# Altium PCB 程控放大衰减电路.PcbDoc
Units mm, origin at the board's own origin, x right, y up, seen from the top; angles counter-clockwise.
Board outline 50 x 40 mm, 2 copper layers (Top Layer, Bottom Layer); 21 components, 19 nets, 78 pads, 6 vias.
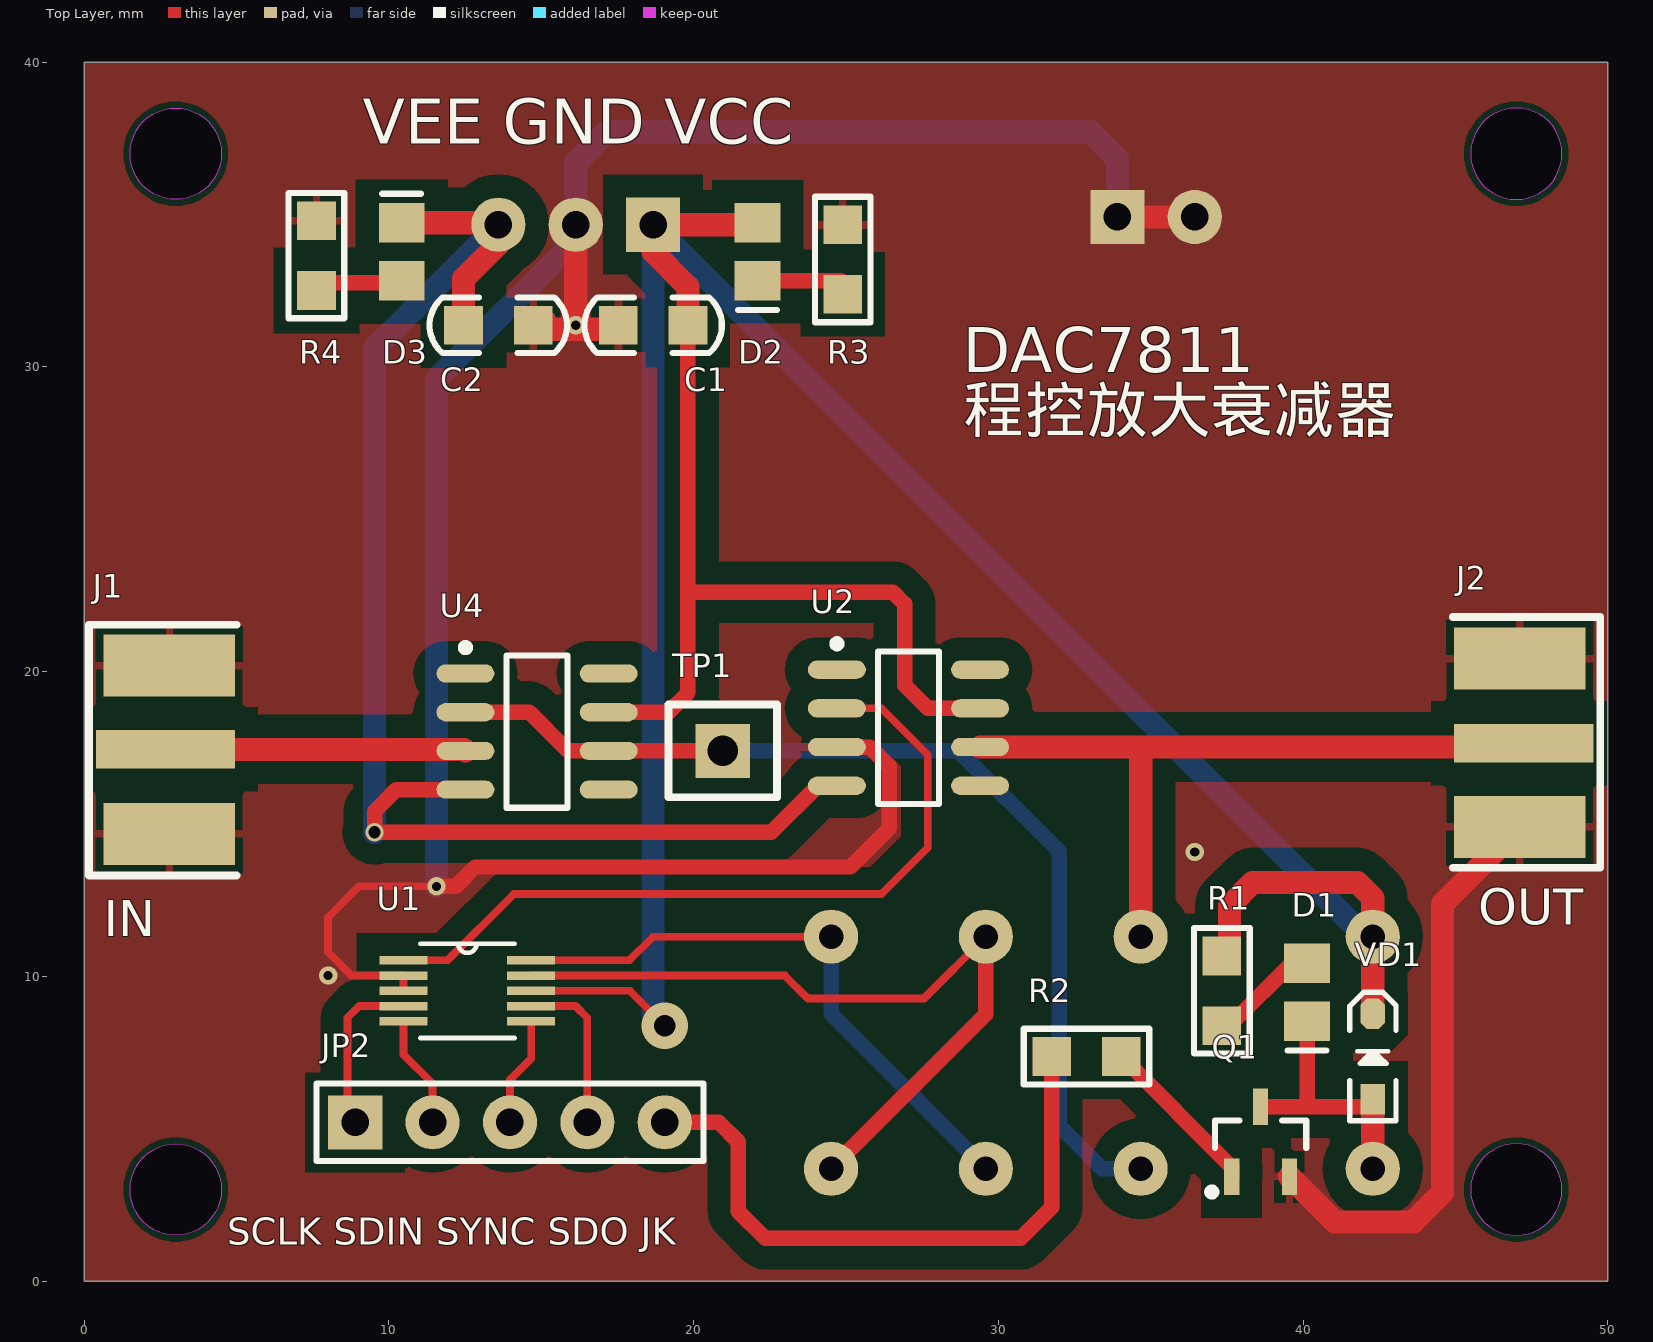
[diagram p0: Top Layer view]
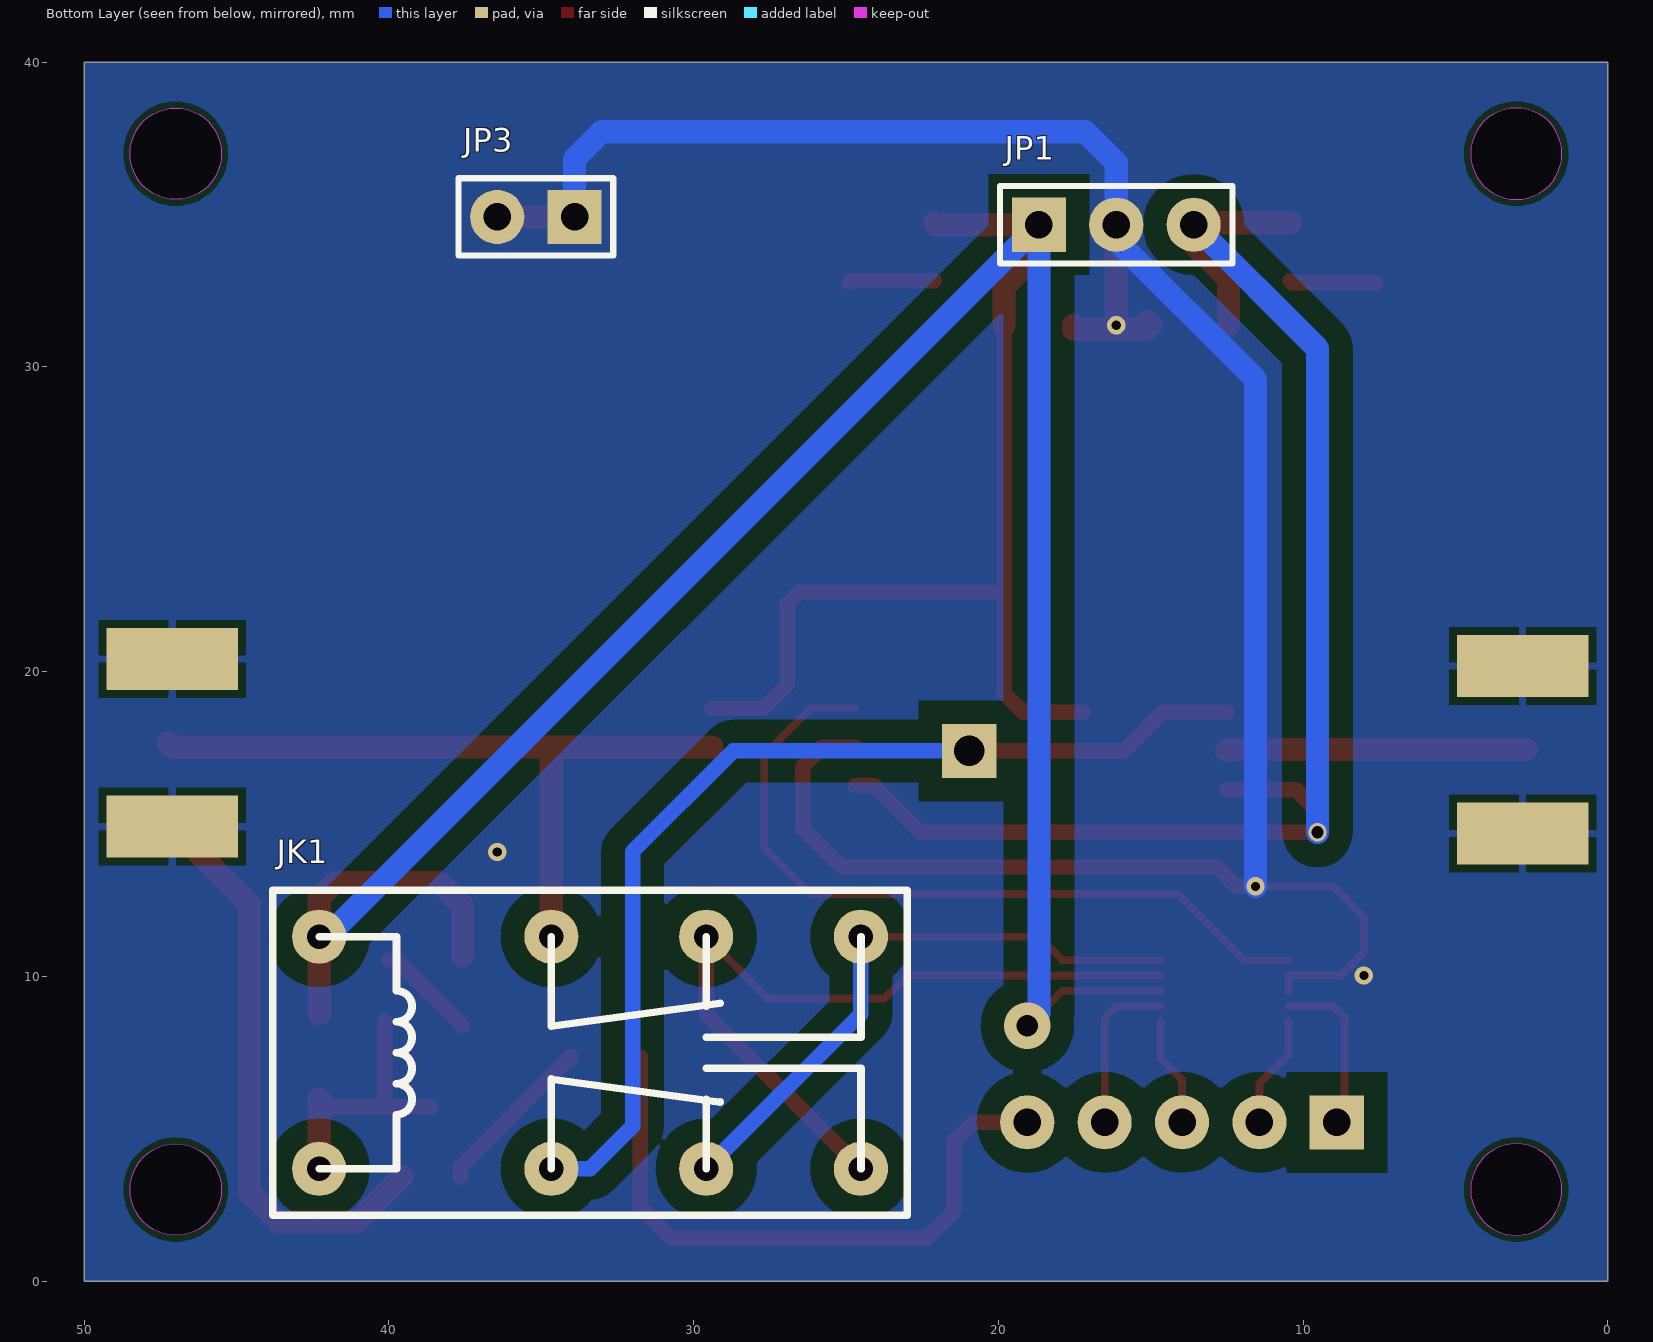
[diagram p1: Bottom Layer view, seen from below]

## Layer stack, top to bottom
Top Solder: solder mask 0.0102, Solder Resist, Dk 3.5
Top Layer: signal copper 0.0356
Dielectric 1: dielectric 0.32, FR-4, Dk 4.8
Bottom Layer: signal copper 0.0356
Bottom Solder: solder mask 0.0102, Solder Resist, Dk 3.5

## Board outline
0,0 0,40 50,40 50,0
cut-out: 45.5,37 ccw(c47,37) 47,35.5 ccw(c47,37) 48.5,37 ccw(c47,37) 47,38.5 ccw(c47,37)
cut-out: 3,35.5 cw(c3,37) 1.5,37 cw(c3,37) 3,38.5 cw(c3,37) 4.5,37 cw(c3,37)
cut-out: 45.5,3 ccw(c47,3) 47,1.5 ccw(c47,3) 48.5,3 ccw(c47,3) 47,4.5 ccw(c47,3)
cut-out: 3,1.5 cw(c3,3) 1.5,3 cw(c3,3) 3,4.5 cw(c3,3) 4.5,3 cw(c3,3)

## Design rules (kind name [scope] priority, off if disabled: settings)
Clearance [All] p1: gap=0.203 ignorepadtopadclearanceinfootprint=FALSE except(0.762: Arc-Poly Track-Poly SMDPad-Poly THPad-Poly Via-Poly Fill-Poly Poly-Poly)
PolygonConnect [All] p1: thpad.connectstyle=Direct thpad.reliefconductorwidth=0.254 thpad.reliefentries=4 thpad.polygonreliefangle="90 Angle" thpad.airgapwidth=0.254 smdpad.connectstyle=Relief smdpad.reliefconductorwidth=0.254 smdpad.reliefentries=4 smdpad.polygonreliefangle="90 Angle" smdpad.airgapwidth=0.254 via.connectstyle=Direct via.reliefconductorwidth=0.254 via.reliefentries=4 via.polygonreliefangle="90 Angle" via.airgapwidth=0.254
RoutingVias [All] p1: holewidth=0.711 width=1.27 viastyle="Through Hole" minholewidth=0.3 minwidth=0.6 maxholewidth=0.711 maxwidth=1.27
SolderMaskExpansion [All] p1: expansion=0.102
Width [All] p1: maxlimit=2.54 minlimit=0.254 preferedwidth=0.762
30 further rules are at their usual default settings.

## Components (designator, comment, footprint, x,y, rotation, side; value= is the part's Value field where it differs from the comment)
C1 "104" "C 0805" 18.669,31.369 r0 top
C2 "104" "C 0805" 13.589,31.369 r180 top
D1 "LED" LED_0805 40.132,9.475 r270 top
D2 "LED" LED_0805 22.098,33.782 r270 top
D3 "LED" LED_0805 10.414,33.782 r90 top
J1 "COAX" MCX5.08-5-H 2.667,17.45 r180 top
J2 "COAX" MCX5.08-5-H 47.244,17.653 r0 top
JK1 "HRS2H-S-DCSV-N" HRS2H 33.401,7.493 r0 bottom
JP1 "HDR-1X3" HDR-1X3 18.669,34.671 r180 bottom
JP2 "HDR-1X5" HDR-1X5 8.89,5.207 r0 top
JP3 "Header 2" HDR2X1_A 33.909,34.925 r0 bottom
Q1 "S9013" SOT23-3N 38.608,4.572 r0 top
R1 "1K" "R 0805" 37.338,9.525 r90 top
R2 "100" "R 0805" 32.893,7.366 r0 top
R3 "1K" "R 0805" 24.892,33.528 r270 top
R4 "1K" "R 0805" 7.62,33.655 r90 top
TP1 "TEST TP" "TEST TP1.4_B" 20.955,17.399 r0 top
U1 "DAC7811" "VSSOP 10 (DGK)" 12.573,9.525 r0 top value=Value
U2 "OP07" SO8_L 27.051,18.161 r0 top
U4 "OP07C" SO8_L 14.859,18.034 r0 top
VD1 "1N4148" SOD-323 42.291,7.366 r90 top

## Footprints (in the part's own frame and the unit in brackets; to place one, negate y for a bottom-side part, rotate by r counter-clockwise, add the part's x,y. Pads: shape width x height; smd on the part's side, far side on the other; paste and mask are expansions set on the pad)
"C 0805" [mil] "无极性贴片电容"
  rect 50x50 smd: 1(-45,0) 2(45,0)
  silkscreen extent -89,-36 89,36, body extent -39,-24 39,24, height 20
HDR2X1_A [mil] "Connector; Header; 2 Position"
  rect 70x70 hole 35.43: 1(0,0)
  round 70 hole 35.43: 2(100,0)
  silkscreen extent -50,-50 150,50
HDR-1X3 [mil] "排针，3脚"
  rect 70x70 hole 35.43: 1(0,0)
  round 70 hole 35.43: 2(100,0) 3(200,0)
  silkscreen extent -50,-50 250,50, body extent -50,-50 250,50, height 335
HDR-1X5 [mil] "排针，5脚"
  rect 70x70 hole 35.43: 1(0,0)
  round 70 hole 35.43: 2(100,0) 3(200,0) 4(300,0) 5(400,0)
  silkscreen extent -50,-50 450,50, body extent -50,-50 450,50, height 335
HRS2H [mil] "双刀双投"
  round 70 hole 31.5: 1(350,-150) 2(350,150) 3(50,150) 4(-150,150) 5(-350,150) 6(50,-150) 7(-150,-150) 8(-350,-150)
  silkscreen extent -410,-210 410,210, body extent -398,-195 398,195, height 430
LED_0805 [mm] "贴片二极管"
  rect 1.3x1.5 smd: 1(-0.95,0) 2(0.95,0)
  silkscreen extent 1.91,-0.63 1.91,0.64
MCX5.08-5-H [mil]
  rect 180x50 smd: 1(0,0)
  rect 170x80 smd: 2(-5,109.25) 5(-5,-108.27)
  rect 170x80 smd far side: 3(-5,108.66) 4(-5,-107.87)
  silkscreen extent -92,-161 99,163, body extent -93,-132 80,134, height 39
"R 0805" [mil] "1/8W贴片电阻"
  rect 50x50 smd: 1(-45,0) 2(45,0)
  silkscreen extent -81,-36 81,36, body extent -39,-25 39,25, height 20
SO8_L [mm] "SOIC, 8-Leads, Body 4.9x3.9mm, Pitch 1.27mm, IPC High Density"
  oval 1.9x0.6 smd: 1(-2.35,1.905) 2(-2.35,0.635) 3(-2.35,-0.635) 4(-2.35,-1.905) 5(2.35,-1.905) 6(2.35,-0.635) 7(2.35,0.635) 8(2.35,1.905)
  silkscreen extent -2.47,-2.5 1,2.88, body extent -2,-2.5 2,2.5, height 1.75
SOD-323 [mm] "1.8x1.3X0.9mm（长宽高，不包括引脚）"
  rect 1x0.8 smd: 1(-1.4,0)
  oct 1x0.8 smd: 2(1.4,0)
  silkscreen extent -2.11,-0.76 2.11,0.76, body extent -1.34,-0.63 1.31,0.67, height 1
SOT23-3N [mm] "3x1.3x1mm(长宽高)"
  rect 0.5x1.2 smd: 1(-0.95,-1.143) 2(0.95,-1.143) 3(0,1.143)
  silkscreen extent -1.72,-1.78 1.5,0.7, body extent -1.5,-1.2 1.5,1.2, height 1.05
"TEST TP1.4_B" [mil] "蓝色，测试环"
  rect 70x70 hole 39.37: 1(0,0)
  silkscreen extent -70,-60 70,60, body extent -66,-55 66,55, height 213
"VSSOP 10 (DGK)" [mil]
  rect 62x11 smd: 1(-82.5,39.37) 2(-82.5,19.68) 3(-82.5,0) 4(-82.5,-19.68) 5(-82.5,-39.37) 6(82.5,-39.37) 7(82.5,-19.68) 8(82.5,0) 9(82.5,19.68) 10(82.5,39.37)
  silkscreen extent -61,-61 61,61, body extent -65,-60 65,60, height 43

## Part data
C1 C2: library part C, "无极性贴片电容"
D1 D2 D3: "发光二极管", LatestRevisionDate=08-Jul-2005, LatestRevisionNote="Mech Layer 1 removed.", PackageReference=LED, Published=8-Jun-2000, Publisher="Altium Limited"
JK1: library part HRS2H-S-DCSV-N_X, "5V双路双控继电器"
JP1: library part "Header 3", "3P接插件"
JP2: library part "Header 5", "5P接插件"
JP3: "接插件", LatestRevisionDate=17-Jul-2002, LatestRevisionNote="Re-released for DXP Platform.", Publisher="Altium Limited"
Q1: library part 9013-SMD, "低频放大-NPN型"
R1 R2 R3 R4: library part R, "贴片电阻"
TP1: "测试环"
U1: "12-Bit, Serial Input, Multiplying Digital-to-Analog Converter", Manufacturer="Texas Instruments", Manufacturer_Part_Number=dac7811_dgs_10, PACKAGE_DESIGNATOR=DGS, Datasheet URL=http://www.ti.com/lit/gpn/DAC7811, FAMILY_NAME="PRECISION DAC (=<10MSPS)", GENERIC_PART_NUMBER=DAC7811, INDUSTRY_STD_PKG_TYPE=MSOP, PIN_COUNT=10, RefDes=RefDes, Type=DEV, Vendor="Texas Instruments"
U2: "Precision Operational Amplifiers"
U4: library part OP07, "Precision Operational Amplifiers"
VD1: "高速开关二极管"

## Via types
v1: diameter 0.6, hole 0.3, Top Layer to Bottom Layer, tented both sides, 3 vias
v2: diameter 0.6, hole 0.4, Top Layer to Bottom Layer, 1 vias
v3: diameter 1.524, hole 0.711, Top Layer to Bottom Layer, 1 vias
v4: diameter 0.6, hole 0.3, Top Layer to Bottom Layer, 1 vias

## Nets (pads, with @x,y where several pads share a name; then routed paths per layer and width w, separated by ;. In a path a pad name is that pad's centre, name@x,y a point inside that pad or via, vN(x,y) a via of type N, cw(c..) or ccw(c..) an arc to the next point about the centre after c; other vN are vias at no path point)
GND: C1.1 C2.1 J1.2 J1.3 J1.4 J1.5 J2.2 J2.3 J2.4 J2.5 JP1.2 JP3.1 JP3.2 Q1.2 R3.1 R4.2 U1.2 U1.3 U2.3 | length 102
  Top Layer w0.254: U1.3 U1.2 8.771,10.025 8.001,10.795 8.001,11.938 9.017,12.954 v4(11.557,12.954)
  Top Layer w0.508: v4(11.557,12.954) 12.192,12.954 12.827,13.589 25.146,13.589 26.416,14.859 26.416,16.891 25.781,17.526 U2.3
  Top Layer w0.762: C2.1@15.121,31.504 14.986,31.369 15.113,31.242 17.526,31.242 C1.1 ; v1(16.129,31.369) JP1.2 ; JP3.1 JP3.2 ; Q1.2 41.048,1.939 43.623,1.939 44.577,2.894 44.577,12.363 J2.5
  Bottom Layer w0.762: v4(11.557,12.954) 11.557,29.591 16.129,34.163 JP1.2 16.129,36.703 17.145,37.719 33.02,37.719 33.909,36.83 JP3.1
  other v1: 8.002,10.025 36.449,14.079
JK: JP2.5 R2.1 | length 21
  Top Layer w0.508: JP2.5 20.828,5.207 21.463,4.572 21.463,2.286 22.352,1.397 30.734,1.397 31.75,2.413 R2.1
NetD1_1: D1.1 R1.1 | length 3.3
  Top Layer w0.508: R1.1@37.592,8.382 39.746,10.536 D1.1@40.005,10.536
NetD1_2: D1.2 JK1.2 Q1.3 VD1.1 | length 8.9
  Top Layer w0.508: Q1.3 40.132,5.715 ; D1.2 40.132,5.715 ; VD1.1 42.04,5.715 40.132,5.715
  Top Layer w0.762: JK1.2 VD1.1
NetD2_2: D2.2 R3.2 | length 2.8
  Top Layer w0.508: D2.2 24.826,32.832 R3.2@24.892,32.766
NetD3_1: D3.1 R4.1 | length 2.8
  Top Layer w0.508: R4.1@7.62,32.766 10.348,32.766 D3.1
NetJ1_1: J1.1 U4.3 | length 9.9
  Top Layer w0.762: J1.1 12.458,17.45 U4.3
NetQ1_1: Q1.1 R2.2 | length 5.5
  Top Layer w0.508: R2.2@34.036,7.294 R2.2 37.658,3.744 Q1.1
NetU1_1: U1.1 U2.2 | length 25.4
  Top Layer w0.254: U1.1 11.922,10.525 14.097,12.7 26.162,12.7 27.686,14.224 27.686,17.272 26.162,18.796 U2.2
OUT: J2.1 JK1.6 U2.6 | length 24.1
  Top Layer w0.762: U2.6 34.671,17.526 ; JK1.6 34.671,17.526 ; J2.1 47.117,17.526 34.671,17.526
RFB: JK1.4 JK1.8 U1.10 | length 19.9
  Top Layer w0.254: U1.10 17.891,10.525 18.669,11.303 JK1.8
  Bottom Layer w0.508: JK1.8 24.511,8.763 JK1.4
SCLK: JP2.1 U1.4 | length 5.5
  Top Layer w0.254: JP2.1 8.636,5.461 8.636,8.636 9.025,9.025 U1.4
SDIN: JP2.2 U1.5 | length 3.7
  Top Layer w0.254: U1.5 10.477,7.429 11.43,6.477 JP2.2
SDO: JP2.4 U1.7 | length 5.4
  Top Layer w0.254: U1.7 16.121,9.025 16.51,8.636 JP2.4
SYNC: JP2.3 U1.6 | length 3.6
  Top Layer w0.254: JP2.3 13.97,6.604 14.668,7.302 U1.6
VCC: C1.2 D2.1 JK1.1 JP1.1 R1.2 U1.8 U2.7 U4.7 VD1.2 | length 110.2
  Top Layer w0.254: U1.8 17.907,9.525 v3(19.05,8.382)
  Top Layer w0.508: U4.7 19.177,18.669 19.812,19.304 19.812,22.606 ; C1.2 19.812,22.606 ; U2.7 27.686,18.796 26.924,19.558 26.924,22.225 26.543,22.606 19.812,22.606
  Top Layer w0.762: C1.2 19.812,32.639 18.669,33.782 JP1.1 22.037,34.671 D2.1 ; R1.2@37.592,10.668 37.592,12.319 38.354,13.081 41.783,13.081 42.291,12.573 JK1.1 VD1.2
  Bottom Layer w0.762: v3(19.05,8.382) 18.669,8.763 JP1.1 42.037,11.303 JK1.1
VEE: C2.2 D3.2 JP1.3 U2.4 U4.4 | length 48.4
  Top Layer w0.508: U4.4 10.239,16.129 9.525,15.415 v2(9.525,14.732) 22.552,14.732 24.076,16.256 U2.4
  Top Layer w0.762: D3.2 13.528,34.732 JP1.3 13.589,34.036 12.446,32.893 C2.2
  Bottom Layer w0.762: v2(9.525,14.732) 9.525,30.607 JP1.3
VIN: JK1.3 TP1.1 U4.2 U4.6 | length 33.7
  Top Layer w0.508: U4.2 14.605,18.669 15.875,17.399 U4.6 TP1.1
  Bottom Layer w0.508: TP1.1 28.702,17.399 32.004,14.097 32.004,5.08 33.401,3.683 JK1.3
VREF: JK1.5 JK1.7 U1.9 | length 25.8
  Top Layer w0.254: U1.9 22.995,10.025 23.749,9.271 27.559,9.271 JK1.7
  Top Layer w0.508: JK1.5 29.591,8.763 JK1.7
pads on no net: U2.1 U2.5 U2.8 U4.1 U4.5 U4.8

## Polygon pours and split planes (outlines as drawn)
GND on Bottom Layer "Top Layer-No Net1" (solid, remove dead copper, pour order 3): 0,0 0,40 50,40 50,0
GND on Top Layer "Top Layer-No Net" (solid, remove dead copper, pour order 4): 0,0 0,40 50,40 50,0

## Silkscreen, mask and mechanical layers (free items; w line width, h text height)
Top Overlay:
  text "VEE GND VCC" at 9.144,36.83 h2.54
  text "DAC7811" at 28.829,29.337 h2.54
  text "程控放大衰减器" at 28.829,27.383 h2.54
  text "OUT" at 45.753,11.303 h2.03
  text "IN" at 0.635,10.922 h2.03
  text "SCLK SDIN SYNC SDO JK" at 4.699,0.889 h1.52
Mechanical 1:
  circle w0.254: c3,37 r1.5
  circle w0.254: c47,37 r1.5
  circle w0.254: c47,3 r1.5
  circle w0.254: c3,3 r1.5
  lines w0.254: 0,0 0,40 50,40 50,0 0,0